# Altium PCB allaki_mezzanine.PcbDoc (part 3 of 3)
Units mm, origin at the board's own origin, x right, y up, seen from the top; angles counter-clockwise.
Board outline 100.05 x 34.55 mm, 6 copper layers (Top Layer, MidLayer1, MidLayer2, MidLayer3, MidLayer4, Bottom Layer), stack 1.096 mm thick; 322 components, 189 nets, 933 pads, 442 vias.
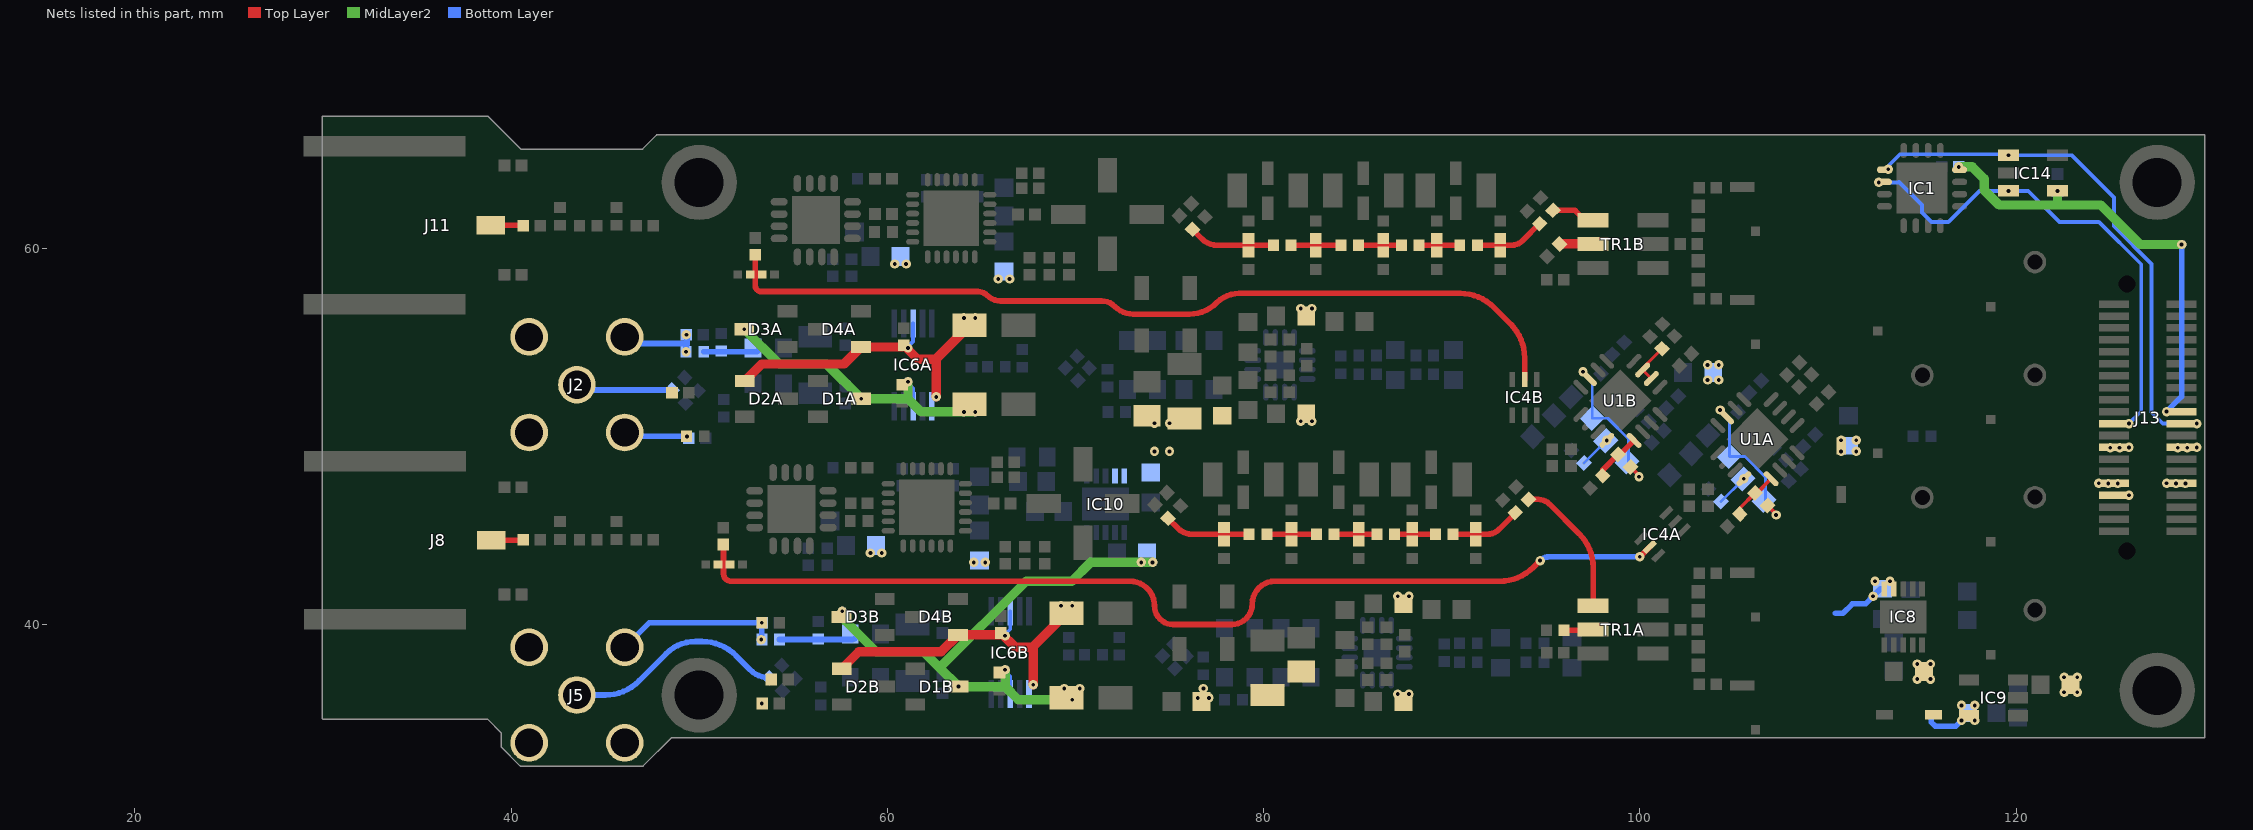
[diagram p7: the nets of this part, all layers, seen from the top]

## Via types
v1: diameter 0.5, hole 0.2, Top Layer to Bottom Layer, 430 vias
v2: diameter 0.6, hole 0.3, Top Layer to Bottom Layer, 12 vias

## Nets (pads, with @x,y where several pads share a name; then routed paths per layer and width w, separated by ;. In a path a pad name is that pad's centre, name@x,y a point inside that pad or via, vN(x,y) a via of type N, cw(c..) or ccw(c..) an arc to the next point about the centre after c; other vN are vias at no path point) (continued)
NetR26B_1: R26B.1 U1B.6 U1B.7 | length 2.2
  Top Layer w0.152: U1B.6@100.611,53.075 U1B.7@100.151,53.535 100.151,53.641 R26B.1@101.173,54.663
NetR29A_1: R29A.1 R31A.2 U1A.16 | length 1.7
  Bottom Layer w0.152: R31A.2@104.323,46.544 105.493,47.715 v1(105.529,47.75)
NetR29B_1: R29B.1 R31B.2 U1B.16 | length 1.7
  Bottom Layer w0.152: R31B.2@97.036,48.582 98.207,49.752 v1(98.242,49.787)
NetR30A_2: R30A.2 R32A.2 U1A.1 | length 2.6
  Top Layer w0.2: R32A.2@105.313,45.873 105.313,46.184 R30A.2@106.126,46.997 106.225,46.997 U1A.1@106.978,47.75
NetR30B_2: R30B.2 R32B.2 U1B.1 | length 2.6
  Top Layer w0.2: R30B.2@98.839,49.034 R30B.2@98.938,49.034
  Top Layer w0.3: R32B.2@98.026,47.91 98.026,48.221 R30B.2@98.839,49.034 ; R30B.2@98.938,49.034 U1B.1@99.691,49.787
NetR35A_2: R35A.2 R36A.1 R37A.2 | length 3
  Bottom Layer w0.3: R35A.2@50.24,54.5 51.17,54.5 52.87,54.5 53.07,54.5 R36A.1@53.17,54.6
NetR35B_2: R35B.2 R36B.1 R37B.2 | length 4.1
  Bottom Layer w0.3: R35B.2@54.27,39.2 58.088,39.2 ccw(c58.088,39.542) 58.095,39.2 ccw(c58.088,39.542) R36B.1@58.33,39.3
NetR38A_1: R38A.1 TR1A.2 | length 1.6
  Top Layer w0.152: TR1A.2@97.49,39.7 TR1A.2@97.52,39.73
  Top Layer w0.3: R38A.1@95.97,39.7 TR1A.2@97.49,39.7
NetR38B_1: R38B.1 TR1B.2 | length 1.8
  Top Layer w0.5: R38B.1@95.732,60.232 97.51,60.232 TR1B.2@97.517,60.225
NetR43A_2: R43A.2 R48A.1 R52A.2 R57A.1 | length 3.8
  Top Layer w0.3: R48A.1@90.07,44.8 91.278,44.8 91.9,44.8 ccw(c91.9,45.659) 92.384,44.949 ccw(c91.9,45.659) 92.507,45.051 ; 92.508,45.052 R57A.1@93.389,45.934
NetR43B_2: R43B.2 R48B.1 R52B.2 R57B.1 | length 3.7
  Top Layer w0.3: R48B.1@91.367,60.165 92.575,60.165 93.2,60.165 ccw(c93.2,60.967) 93.767,60.4 R57B.1@94.676,61.309
NetR44A_2: R44A.2 R48A.2 R49A.1 R53A.2 | length 2.2
  Top Layer w0.3: R49A.1@86.97,44.8 87.903,44.8 R48A.2@89.13,44.8
NetR44B_2: R44B.2 R48B.2 R49B.1 R53B.2 | length 2.2
  Top Layer w0.3: R49B.1@88.267,60.165 89.2,60.165 R48B.2@90.427,60.165
NetR45A_2: R45A.2 R49A.2 R50A.1 R54A.2 | length 2.3
  Top Layer w0.3: R50A.1@83.754,44.8 85.065,44.8 R49A.2@86.03,44.8
NetR45B_2: R45B.2 R49B.2 R50B.1 R54B.2 | length 2.3
  Top Layer w0.3: R50B.1@85.051,60.165 86.363,60.165 R49B.2@87.327,60.165
NetR46A_2: R46A.2 R50A.2 R51A.2 R55A.2 | length 2.6
  Top Layer w0.3: R51A.2@80.171,44.795 80.176,44.8 81.483,44.8 R50A.2@82.814,44.8
NetR46B_2: R46B.2 R50B.2 R51B.2 R55B.2 | length 2.6
  Top Layer w0.3: R51B.2@81.469,60.16 81.473,60.165 82.78,60.165 R50B.2@84.111,60.165
NetR47A_2: R47A.2 R51A.1 R56A.2 R58A.1 | length 4.6
  Top Layer w0.3: R58A.1@74.921,45.644 75.465,45.1 ccw(c76.201,45.836) 76.201,44.795 77.899,44.795 R51A.1@79.231,44.795
NetR47B_2: R47B.2 R51B.1 R56B.2 R58B.1 | length 4.6
  Top Layer w0.3: R58B.1@76.219,61.009 76.728,60.5 ; 76.728,60.499 ccw(c77.548,61.32) 77.548,60.16 79.197,60.16 R51B.1@80.529,60.16
NetR59A_1: R59A.1 TR1A.3 | length 7.4
  Top Layer w0.3: R59A.1@94.086,46.651 94.593,46.651 cw(c94.593,45.793) 95.2,46.4 ; 95.2,46.4 96.776,44.824 cw(c94.98,43.028) 97.52,43.028 TR1A.3@97.52,41
NetR59B_1: R59B.1 TR1B.3 | length 2.4
  Top Layer w0.3: R59B.1@95.383,62.016 96.005,62.016 96.551,62.016 97.072,61.495 TR1B.3@97.517,61.495
PD_INA: C47A.2 IC4A.2 R18A.2 R19A.2 | length 54.2
  Top Layer w0.3: C47A.2@51.27,44.175 cw(c51.27,44.15) 51.295,44.15 51.295,43.2 51.295,42.705 ccw(c51.7,42.705) 51.7,42.3 72.9,42.3 cw(c72.9,41) 74.2,41 ccw(c75.2,41) 75.2,40 78.3,40 ccw(c78.3,41.1) 79.4,41.1 cw(c80.6,41.1) 80.6,42.3 92.548,42.3 ccw(c92.548,44.84) 94.344,43.044 v1(94.7,43.4) ; v1(100,43.6) IC4A.2@100.528,44.128
  Bottom Layer w0.3: v1(94.7,43.4) cw(c95.183,42.917) 95.183,43.6 v1(100,43.6)
PD_INB: C47B.2 IC4B.2 R18B.2 R19B.2 | length 46.4
  Top Layer w0.3: C47B.2@52.975,59.747 C47B.2@52.975,59.647 52.975,58.597 52.975,58.025 ccw(c53.3,58.025) 53.3,57.7 64.817,57.7 cw(c64.817,57.017) 65.3,57.5 ccw(c66.024,58.224) 66.024,57.2 71.376,57.2 cw(c71.376,56.176) 72.1,56.9 ccw(c73.066,57.866) 73.066,56.5 76.051,56.5 ccw(c76.051,58.549) 77.5,57.1 cw(c78.707,55.893) 78.707,57.6 90.448,57.6 cw(c90.448,55.06) 92.244,56.856 93.131,55.969 cw(c91.335,54.173) 93.875,54.173 IC4B.2@93.875,53.025
RET1_IN: C10.1 C65.2 C68.2 J2.2 R35A.1 R62.2 | length 7.9
  Bottom Layer w0.3: J2.2@46.04,50.21 ccw(c46.547,50.717) 46.547,50 v1(49.35,50) ; J2.2@46.04,55.29 46.39,54.94 49.3,54.94 ; v1(49.3,54.5) 49.3,54.94 ; v1(49.32,55.4) 49.35,55.37 49.35,54.96 ; 49.35,54.89 49.35,54.94 ; 49.3,54.94 49.35,54.94 ; 49.3,54.94 49.3,55.01 49.35,54.96 ; 49.35,54.94 49.35,54.96
RET2_IN: C32.1 C67.2 C69.2 J5.2 R35B.1 R64.2 | length 8.6
  Bottom Layer w0.3: J5.2@40.96,38.79 J5.2@40.99,38.79 ; J5.2@46.04,38.79 47.35,40.1 C32.1@53.2,40.1 ; v1(53.32,40.1) 53.33,40.09 R35B.1@53.33,39.2
  other v1: 53.32,35.8 53.3,39.2
RF1_OUT: C50A.2 J8.1 | length 1.7
  Top Layer w0.3: J8.1@38.95,44.474 C50A.2@40.625,44.474
RF2_OUT: C50B.2 J11.1 | length 1.8
  Top Layer w0.3: J11.1@38.925,61.225 40.49,61.225 cw(c40.49,61.035) 40.624,61.169 C50B.2@40.65,61.195
SCL: IC1.1 IC14.1 J13.21 | length 28.3
  Bottom Layer w0.2: v1(113.2,64.2) 113.2,64.375 113.825,65 119.55,65 v1(119.6,64.95) 122.95,64.95 125.2,62.7 125.2,61.166 127.2,59.166 127.2,51.283 127.8,50.683 v1(129.6,50.683)
SDA: IC1.2 IC14.3 J13.22 | length 26.1
  Bottom Layer w0.2: v1(112.7,63.5) 113.75,63.5 113.775,63.525 115,62.3 115,61.9 115.5,61.4 116.4,61.4 118.05,63.05 v1(119.6,63.05) 120.65,63.05 122.3,61.4 124.4,61.4 126.65,59.15 126.65,51.333 v1(126,50.683)
SIG1_IN: J2.1 R6A.1 R65A.2 | length 5.2
  Bottom Layer w0.3: J2.1@43.5,52.75 ccw(c44.182,53.432) 44.182,52.468 R6A.1@48.568,52.468 ; R65A.2@48.568,52.432 R65A.2@48.588,52.432
SIG2_IN: J5.1 R6B.1 R65B.2 | length 11.8
  Bottom Layer w0.3: J5.1@43.5,36.25 44.998,36.25 ccw(c44.998,38.79) 46.794,36.994 48.264,38.464 cw(c49.8,36.927) 49.8,39.1 50.148,39.1 cw(c50.148,36.56) 51.944,38.356 52.711,37.589 ccw(c53.728,38.605) R6B.1@53.728,37.168
VCCD_3V3: C43.2 C54.2 IC1.12 IC14.4 J13.19 | length 23.9
  MidLayer2 w0.5: v1(116.95,64.325) 117.675,64.325 118.3,63.7 118.3,63.1 119.1,62.3 122.2,62.3 ; v1(122.2,63.05) 122.2,62.3 ; v1(128.8,60.2) 126.6,60.2 124.5,62.3 122.2,62.3
  Bottom Layer w0.3: v1(128,51.318) 128.8,52.118 v1(128.8,60.2)
VCCN_5V0_A: C53.2 D6.2 IC9.5 L5A.1 L5B.1 | length 2.9
  Bottom Layer w0.3: 115.5,35.3 115.5,34.8 115.7,34.6 116.8,34.6 v1(117.1,34.9) 117.45,35.25 C53.2@117.45,35.3
  other v1: 117.8,34.9 117.1,35.7 117.8,35.7 87.13,36.3 87.73,36.3 81.97,50.8 82.57,50.8
VCCN_6V0_A: J13.31 L10.1
  other v1: 122.55,36.4 123.25,36.4 122.55,37.2 123.25,37.2 128,47.508 128.5,47.495 129,47.495
VCCN_12V0_A: C41A.2 C41B.2 C42A.2 C42B.2 D2A.1 D2B.1 D4A.1 D4B.1 IC6A.3 IC6A.6 IC6B.3 IC6B.6 J13.25 | length 34.3
  Top Layer w0.5: D2A.1@52.42,52.95 53.32,53.85 57.7,53.85 D4A.1@58.6,54.75 60.77,54.75 C41A.2@60.87,54.85 61.62,54.1 62.57,54.1 ; D2B.1@57.58,37.65 58.48,38.55 62.86,38.55 D4B.1@63.76,39.45 65.93,39.45 C41B.2@66.03,39.55 66.78,38.8 67.73,38.8 ; v1(62.6,52.1) 62.6,54.1 62.585,54.115 ; C42A.2@64.37,55.9 62.585,54.115 ; v1(67.76,36.8) 67.76,38.8 67.745,38.815 ; C42B.2@69.53,40.6 67.745,38.815 ; 62.57,54.1 62.57,54.13 62.585,54.115 ; 62.57,54.1 62.585,54.115 ; 67.73,38.8 67.73,38.83 67.745,38.815 ; 67.73,38.8 67.745,38.815
  Bottom Layer w0.2: v1@61.12,54.8 61.37,55.05 IC6A.3@61.37,56 ; v1@66.28,39.5 66.53,39.75 IC6B.3@66.53,40.7
  other v1: 66.26,39.4 69.23,41 69.83,41 128.6,49.4 129.1,49.4 129.6,49.413 61.1,54.7 64.07,56.3 64.67,56.3
VCCP_5V0: C11.2 D5.1 IC8.9 IC8.10 L3A.2 L3B.2 L6A.2 L6B.2 L7A.1 L7B.1 L8A.2 L8B.2 | length 3
  Bottom Layer w0.3: 110.4,40.6 110.8,40.6 111.3,41.1 112,41.1 v1(112.4,41.5) 112.8,41.9 C11.2@112.9,41.9
  other v1: 87.13,41.5 87.73,41.5 112.5,42.3 113.3,42.3 64.6,43.3 65.2,43.3 59.1,43.8 59.7,43.8 110.7,49.2 111.5,49.2 110.7,49.8 111.5,49.8 103.6,53 104.2,53 103.6,53.8 104.2,53.8 81.97,56.8 82.57,56.8 65.897,58.365 66.497,58.365 60.397,59.165 60.997,59.165
VCCP_6V0_A: J13.32 J13.34 L9.1
  other v1: 114.75,37.1 115.45,37.1 114.75,37.9 115.45,37.9 126,46.873 124.4,47.508 124.9,47.495 125.4,47.495
VCCP_11V5_A: C12A.2 C12B.2 C13A.2 C13B.2 C70.2 IC10.9 IC10.10 R5A.1 R5B.1
  other v1: 76.5,36.1 77.1,36.1 76.8,36.6 74.2,49.2 75,49.2 74.2,50.7 75,50.7
VCCP_12V0_A: C34A.1 C34B.1 C35A.2 C35B.2 D1A.3 D1B.3 D3A.3 D3B.3 IC6A.8 IC6B.8 J13.26 L4.1 | length 46.5
  MidLayer2 w0.5: v1(52.4,55.7) 54.25,53.85 56.77,53.85 v1(58.62,52) 61.1,52 ; v1(57.6,40.7) 57.6,40.36 59.41,38.55 61.93,38.55 62.78,37.7 ; v1(61.1,52.9) 61.1,52 ; v1(64.67,51.3) v1(64.07,51.3) 61.8,51.3 61.1,52 ; v1(66.26,37.6) 66.26,36.7 ; 69.23,36 66.96,36 66.26,36.7 ; 69.23,36 v1(69.83,36) ; v1(74.1,43.3) v1(73.5,43.3) 70.8,43.3 69.8,42.3 67.38,42.3 62.78,37.7 ; 62.78,37.7 v1(63.78,36.7) 66.26,36.7
  Bottom Layer w0.2: v1@61.12,52.8 61.37,52.55 IC6A.8@61.37,51.6 ; v1@66.28,37.5 66.53,37.25 IC6B.8@66.53,36.3
  other v1: 69.4,36.6 70.23,36.6 125,49.4 125.5,49.4 126,49.413
VREF_AD8363A: R28A.1 R29A.2 R30A.1 U1A.11 | length 8.9
  Top Layer w0.152: v1(104.267,51.402) v1@104.256,51.392 ; U1A.11@104.61,51.038 v1@104.256,51.392 ; v1@104.256,51.392 104.175,51.473 104.175,51.402 104.175,51.31 v1@104.256,51.392
  Top Layer w0.2: R30A.1@106.791,46.332 107.244,45.88 v1(107.244,45.823)
  Bottom Layer w0.152: v1(104.267,51.402) 104.267,51.346 104.762,50.851 R28A.1@104.762,48.927 105.582,48.927 106.678,47.831 106.678,46.601 106.678,46.389 v1(107.244,45.823)
VREF_AD8363B: R28B.1 R29B.2 R30B.1 U1B.11 | length 8.9
  Top Layer w0.152: v1(96.98,53.44) v1@96.969,53.429 ; U1B.11@97.323,53.075 v1@96.969,53.429 ; v1@96.969,53.429 96.888,53.51 96.888,53.44 96.888,53.348 v1@96.969,53.429
  Top Layer w0.2: R30B.1@99.504,48.37 99.957,47.917 v1(99.957,47.86)
  Bottom Layer w0.152: v1(96.98,53.44) 96.98,53.383 97.475,52.888 R28B.1@97.475,50.965 98.295,50.965 99.391,49.869 99.391,48.638 99.391,48.426 v1(99.957,47.86)
pads on no net: D1A.2 D1B.2 D2A.2 D2B.2 D3A.2 D3B.2 D4A.2 D4B.2 IC1.5 IC1.6 IC1.7 IC1.8 IC1.9 IC1.10 IC1.13 IC1.14 IC1.15 IC1.16 IC3A.19 IC3B.19 IC7A.4 IC7A.6 IC7A.7 IC7A.8 IC7A.13 IC7A.14 IC7A.15 IC7A.16 IC7B.4 IC7B.6 IC7B.7 IC7B.8 IC7B.13 IC7B.14 IC7B.15 IC7B.16 IC8.4 IC9.4 IC10.4 IC14.5 J13.20 J13.27 J13.28 J13.P1 J13.P2 L1A.2 L1A.4 L1B.2 L1B.4 U1A.13 U1B.13

## Polygon pours and split planes (outlines as drawn)
VCCP_12V0_A on MidLayer2 "VCCP_12V0_A_L03_P086" (solid, remove dead copper, pour order 138): 75.8,50.7 ccw(c73.8,50.7) 73.8,52.7 62.7,52.7 cw(c62.7,53.5) 61.9,53.5 61.9,53.96 ccw(c59.36,53.96) 59.36,56.5 52.2,56.5 ccw(c52.2,55.47) 51.17,55.47 51.17,52.04 ccw(c53.71,52.04) 53.71,49.5 74.7,49.5 ccw(c74.7,50.6) 75.8,50.6
VCCP_12V0_A on MidLayer2 "VCCP_12V0_A_L03_P085" (solid, remove dead copper, pour order 137): 70.6,36.3 cw(c70,36.3) 70,35.7 59.64,35.7 cw(c59.64,38.24) 57.1,38.24 57.1,42.1 cw(c58,42.1) 58,43 68.5,43 ccw(c68.5,43.5) 69,43.5 cw(c69.6,43.5) 69.6,44.1 74,44.1 cw(c74,43.5) 74.6,43.5 74.6,43.2 cw(c74.1,43.2) 74.1,42.7 71.2,42.7 ccw(c71.2,42.3) 70.8,42.3 cw(c70.3,42.3) 70.3,41.8 68.5,41.8 ccw(c68.5,40.6) 67.3,40.6 67.3,39.7 ccw(c69,39.7) 69,38 69.6,38 cw(c69.6,37) 70.6,37
GND on MidLayer2 "GND_L03_P089" (solid, remove dead copper, pour order 141): 38.739,34.975 39.475,34.239 39.475,33.5 ccw(c39.5,33.5) 39.482,33.482 40.482,32.482 cw(c40.5,32.5) 40.482,32.482 ccw(c40.5,32.5) 40.5,32.475 47,32.475 ccw(c47,32.5) 47.018,32.482 48.511,33.975 130,33.975 ccw(c130,34) 130.025,34 130.025,66 ccw(c130,66) 130,66.025 47.75,66.025 ccw(c47.75,66) 47.732,66.018 cw(c47.75,66) 47.732,66.018 46.989,65.275 40.511,65.275 38.768,67.018 cw(c38.75,67) 38.768,67.018 ccw(c38.75,67) 38.75,67.025 30,67.025 ccw(c30,67) 29.975,67 29.975,35 ccw(c30,35) 30,34.975
NetC51_2 on MidLayer2 "NETC51_2_L03_P077" (solid, remove dead copper, pour order 129): 30.025,50.25 37.27,50.25 cw(c37.27,47.71) 39.067,49.506 39.6,48.972 cw(c38.332,47.704) 40.125,47.704 40.125,47.215 ccw(c41.491,47.215) 40.525,46.25 cw(c39.077,44.801) 41.125,44.801 41.125,44.257 cw(c39.418,44.257) 40.625,43.05 40.62,43.045 ccw(c41.815,41.85) 40.125,41.85 cw(c37.711,41.85) 39.418,40.142 38.969,39.694 cw(c37.173,41.49) 37.173,38.95 30.039,38.95
NetC52_2 on MidLayer2 "NETC52_2_L03_P071" (solid, remove dead copper, pour order 123): 30,67 37.245,67 cw(c37.245,64.46) 39.041,66.256 39.575,65.723 cw(c38.307,64.455) 40.1,64.455 40.1,63.966 ccw(c41.466,63.966) 40.5,63 cw(c39.052,61.552) 41.1,61.552 41.1,61.007 cw(c39.393,61.007) 40.6,59.8 40.595,59.795 ccw(c41.79,58.6) 40.1,58.6 cw(c37.686,58.6) 39.393,56.893 38.944,56.444 cw(c37.148,58.24) 37.148,55.7 30.014,55.7
RET1_IN on MidLayer2 "RET1_IN_L03_P065" (solid, remove dead copper, pour order 117): 48.034,57 cw(c48.034,55.634) 49,56.6 49.607,55.993 cw(c49.215,55.6) 49.77,55.6 49.77,54.692 cw(c48.848,54.692) 49.5,54.04 48.87,53.41 ccw(c49.28,53) 48.7,53 48.7,52.941 ccw(c49.041,52.941) 48.8,52.7 48.929,52.571 cw(c48.759,52.4) 49,52.4 49,52.363 cw(c48.486,52.363) 48.849,52 ccw(c49.21,51.639) 48.7,51.639 48.7,51.5 ccw(c49.666,51.5) 48.983,50.817 49.059,50.741 ccw(c49.4,51.083) 49.4,50.6 cw(c49.4,50.455) 49.502,50.558 49.6,50.46 cw(c49.117,49.977) 49.8,49.977 49.8,49.7 cw(c48.351,49.7) 49.376,48.676 49.3,48.6 cw(c47.61,50.29) 47.61,47.9 42.252,47.9 cw(c42.252,50.44) 40.456,48.644 39.5,49.6 cw(c40.466,50.566) 39.1,50.566 39.1,55 cw(c40.79,55) 39.595,56.195 40,56.6 cw(c40.966,55.634) 40.966,57
RET2_IN on MidLayer2 "RET2_IN_L03_P059" (solid, remove dead copper, pour order 111): 41,40.5 46.793,40.5 ccw(c46.793,42.207) 48,41 cw(c48.724,40.276) 48.724,41.3 52.776,41.3 cw(c52.776,40.276) 53.5,41 cw(c52.776,40.276) 53.8,40.276 53.8,37.935 ccw(c54.141,37.935) 53.9,37.694 54.276,37.317 cw(c54.219,37.26) 54.3,37.26 cw(c53.649,37.26) 54.109,36.8 ccw(c54.857,36.053) 53.8,36.053 53.8,35.524 cw(c52.776,35.524) 53.5,34.8 51.944,33.244 cw(c50.148,35.04) 50.148,32.5 40.152,32.5 cw(c40.152,35.04) 38.356,33.244 38,33.6 cw(c39.449,35.049) 37.4,35.049 37.4,36.9 cw(c39.331,36.9) 37.966,38.266 39.634,39.934 cw(c41,38.569)
VCCP_11V5_A on MidLayer3 "VCCP_11V5_A_L04_P095" (solid, remove dead copper, pour order 95): 76.5,35.9 77.1,35.9 ccw(c77.1,36.5) 77.7,36.5 77.7,48.539 ccw(c75.16,48.539) 75.16,51.079 74.043,51.079 ccw(c74.043,50.857) 73.821,50.857 73.821,49.079 ccw(c74,49.079) 74,48.9 cw(c74,46.6) 76.3,46.6 76.3,36.1 ccw(c76.5,36.1)
GND on MidLayer3 "GND_L04_P088" (solid, remove dead copper, pour order 140): 38.739,34.975 39.475,34.239 39.475,33.5 ccw(c39.5,33.5) 39.482,33.482 40.482,32.482 cw(c40.5,32.5) 40.482,32.482 ccw(c40.5,32.5) 40.5,32.475 47,32.475 ccw(c47,32.5) 47.018,32.482 48.511,33.975 130,33.975 ccw(c130,34) 130.025,34 130.025,66 ccw(c130,66) 130,66.025 47.75,66.025 ccw(c47.75,66) 47.732,66.018 cw(c47.75,66) 47.732,66.018 46.989,65.275 40.511,65.275 38.768,67.018 cw(c38.75,67) 38.768,67.018 ccw(c38.75,67) 38.75,67.025 30,67.025 ccw(c30,67) 29.975,67 29.975,35 ccw(c30,35) 30,34.975
VCCP_12V0_A on MidLayer3 "VCCP_12V0_A_L04_P054" (solid, remove dead copper, pour order 107): 70.6,36.2 70.6,36.7 74.4,36.7 ccw(c74.4,37.2) 74.55,36.723 ccw(c74.7,37.2) 74.7,36.7 75.2,36.7 ccw(c75.2,37.2) 75.7,37.2 75.7,51.5 ccw(c75.3,51.5) 75.3,51.9 ccw(c75.3,51.5) 75.3,51.9 74.6,51.9 ccw(c74.6,51.5) 74.6,51.9 ccw(c74.6,51.5) 74.2,51.5 74.2,51.6 ccw(c73.8,51.6) 73.8,52 ccw(c73.8,51.6) 73.8,52 73.1,52 ccw(c73.1,51.6) 73.1,52 ccw(c73.1,51.6) 72.7,51.6 72.7,40.476 67.9,40.476 67.9,52.3 ccw(c67.5,52.3) 67.9,52.3 ccw(c67.5,52.3) 67.5,52.7 ccw(c67.5,52.3) 67.5,52.7 66.8,52.7 ccw(c66.8,52.3) 66.8,52.7 ccw(c66.8,52.3) 66.769,52.699 66.769,52.7 66.674,52.7 cw(c66.674,52.804) 66.57,52.803 66.57,53.3 ccw(c66.17,53.3) 66.57,53.3 ccw(c66.17,53.3) 66.17,53.7 ccw(c66.17,53.3) 66.17,53.7 65.47,53.7 ccw(c65.47,53.301) 65.47,53.7 ccw(c65.47,53.301) 65.343,53.679 ccw(c65.2,53.202) 65.2,53.7 ccw(c65.2,53.202) 65.2,53.7 64.4,53.7 ccw(c64.4,53.2) 64.4,53.7 ccw(c64.4,53.2) 64.1,53.6 61.1,53.6 ccw(c61.1,53.1) 61.1,53.6 ccw(c61.1,53.1) 60.6,53.1 ccw(c61.1,53.1) 60.6,53.1 60.6,52.6 ccw(c61.1,52.6) 61.1,52.1 ccw(c61.1,52.6) 61.1,52.1 63.9,52.1 63.9,48.4 63.9,46.63 ccw(c64.4,46.63) 63.9,46.63 ccw(c64.4,46.63) 64.4,46.13 65.07,46.13 65.07,39 ccw(c65.57,39) 65.57,38.5 ccw(c65.57,39) 65.57,38.5 65.7,38.5 65.7,37.2 ccw(c66.2,37.2) 65.7,37.2 ccw(c66.2,37.2) 66.2,36.7 ccw(c66.2,37.2) 66.2,36.7 66.7,36.7 69.1,36.7 69.1,36.2 ccw(c69.6,36.2) 69.1,36.2 ccw(c69.6,36.2) 69.6,35.7 70.1,35.7 ccw(c70.1,36.2)
VCCP_5V0 on MidLayer3 "VCCP_5V0_L04_P081" (solid, remove dead copper, pour order 133): 86.52,40.9 ccw(c86.52,41.4) 86.845,41.02 88.2,41.02 90.6,41.02 ccw(c90.725,41.4) 90.725,41 105.025,41 ccw(c105.025,41.5) 105.425,41.2 113.525,41.2 ccw(c113.525,41.7) 114.025,41.7 ccw(c113.525,41.7) 114.025,41.7 114.025,42.2 ccw(c113.527,42.2) 114.025,42.2 ccw(c113.527,42.2) 114.015,42.3 ccw(c113.526,42.4) 114.025,42.4 ccw(c113.526,42.4) 114.025,42.4 114.025,42.9 ccw(c113.525,42.9) 114.025,42.9 ccw(c113.525,42.9) 113.525,43.4 ccw(c113.525,42.9) 113.525,43.4 112.1,43.4 112.1,50.3 ccw(c111.6,50.3) 112.1,50.3 ccw(c111.6,50.3) 111.6,50.8 ccw(c111.6,50.3) 111.6,50.8 111.1,50.8 ccw(c111.05,49.816) 111.05,50.801 ccw(c111.05,49.816) 111,50.8 110.5,50.8 ccw(c110.5,50.3) 110.5,50.8 ccw(c110.5,50.3) 110,50.3 110,43.4 104.951,43.4 104.951,54.2 ccw(c104.451,54.2) 104.951,54.2 ccw(c104.451,54.2) 104.451,54.7 ccw(c104.451,54.2) 104.451,54.7 103.951,54.7 ccw(c103.95,54.207) 103.95,54.7 ccw(c103.95,54.207) 103.901,54.697 ccw(c103.851,54.211) 103.851,54.7 ccw(c103.851,54.211) 103.851,54.7 103.351,54.7 ccw(c103.351,54.2) 103.351,54.7 ccw(c103.351,54.2) 102.851,54.2 102.851,43.4 87.02,43.4 87.02,55.7 ccw(c86.62,55.7) 87.02,55.7 ccw(c86.62,55.7) 86.62,56.1 ccw(c86.62,55.7) 86.62,56.1 85.92,56.1 ccw(c85.808,55.745) 85.808,56.117 ccw(c85.808,55.745) 85.695,56.1 ccw(c85.248,55.958) 85.248,56.428 ccw(c85.248,55.958) 85.2,56.425 84.7,56.425 84.7,57 ccw(c84.3,57) 84.7,57 ccw(c84.3,57) 84.3,57.4 ccw(c84.3,57) 84.3,57.4 83.6,57.4 81.7,57.4 ccw(c81.7,56.9) 81.7,57.4 ccw(c81.7,56.9) 81.2,56.9 81.2,56.4 ccw(c81.7,56.4) 81.7,55.9 ccw(c81.7,56.4) 81.7,55.9 83.1,55.9 ccw(c83.665,56.105) 83.18,55.75 83.18,41.45 ccw(c83.58,41.45) 83.257,41.214 ccw(c83.6,41.42) 83.6,41.02 85.695,41.02 ccw(c86.02,41.4) 86.02,40.9
VCCP_5V0 on MidLayer3 "VCCP_5V0_L04_P047" (solid, remove dead copper, pour order 100): 80.185,34.701 ccw(c80.21,35.2) 80.21,34.7 80.71,34.7 ccw(c80.71,35.2) 81.21,35.2 81.21,49.5 ccw(c80.81,49.5) 81.18,49.652 81.18,55.9 84.38,55.9 84.38,57.4 81.039,57.4 ccw(c80.78,57.095) 80.78,57.495 79.71,57.495 ccw(c79.71,57.095) 79.31,57.095 79.31,56.99 ccw(c79.22,56.6) 79.22,57 78.52,57 ccw(c78.52,56.6) 78.12,56.6 78.12,42.3 ccw(c78.62,42.3) 78.62,41.8 79.11,41.8 79.11,36.2 65.63,36.2 65.63,43.305 64.13,43.305 64.13,35.2 ccw(c64.63,35.2) 64.63,34.7 65.13,34.7 ccw(c65.13,35.2) 65.132,34.7 79.3,34.7 ccw(c79.3,35.2) 79.447,34.722 ccw(c79.61,35.195) 79.61,34.695 80.11,34.695 ccw(c80.11,35.195)
VCCP_12V0_A on MidLayer3 "VCCP_12V0_A_L04_P052" (solid, remove dead copper, pour order 105): 125.47,48.301 ccw(c125.5,48.8) 125.5,48.3 ccw(c125.5,48.8) 125.5,48.3 126,48.3 ccw(c126,48.8) 126,48.3 ccw(c126,48.8) 126.5,48.8 ccw(c126,48.8) 126.5,48.8 126.5,58.4 124.44,58.4 106.1,58.4 106.1,61.135 74.1,61.135 ccw(c74.1,60.735) 74.1,61.135 ccw(c74.1,60.735) 73.7,60.735 73.7,58.335 ccw(c74.1,58.335) 74.1,57.935 ccw(c74.1,58.335) 74.1,57.935 93.001,57.935 ccw(c93.5,57.9) 93,57.9 ccw(c93.5,57.9) 93,57.9 93,57.4 ccw(c93.5,57.4) 93,57.4 ccw(c93.5,57.4) 93.5,56.9 ccw(c93.5,57.4) 93.5,56.9 124.44,56.9 124.44,48.8 ccw(c124.94,48.8) 124.44,48.8 ccw(c124.94,48.8) 124.94,48.3 ccw(c124.94,48.8) 124.94,48.3 125.44,48.3 ccw(c125.44,48.8) 125.44,48.3 ccw(c125.44,48.8)
VCCP_12V0_A on MidLayer3 "VCCP_12V0_A_L04_P049" (solid, remove dead copper, pour order 102): 74.55,42.123 ccw(c74.7,42.6) 74.7,42.1 75.2,42.1 ccw(c75.2,42.6) 75.7,42.6 75.7,50.705 75.7,60.2 ccw(c75.3,60.2) 75.3,60.6 74.659,60.6 ccw(c74.657,60.1) 74.657,60.6 74.157,60.6 ccw(c74.157,60.1) 73.657,60.1 73.657,57.3 73.1,57.3 ccw(c73.1,56.9) 72.7,56.9 72.7,42.6 ccw(c73.2,42.6) 73.2,42.1 73.7,42.1 ccw(c73.7,42.6) 73.8,42.11 ccw(c73.9,42.6) 73.9,42.1 74.4,42.1 ccw(c74.4,42.6)
VCCN_12V0_A on MidLayer3 "VCCN_12V0_A_L04_P051" (solid, remove dead copper, pour order 104): 106.6,59.371 ccw(c107,59.371) 107,58.971 126.6,58.971 126.6,52.3 126.6,48.9 ccw(c127.1,48.9) 127.1,48.4 127.6,48.4 ccw(c127.6,48.9) 127.65,48.403 ccw(c127.7,48.9) 127.7,48.4 128.7,48.4 ccw(c128.7,48.9) 128.75,48.403 ccw(c128.8,48.9) 128.8,48.4 129.3,48.4 ccw(c129.3,48.9) 129.8,48.9 129.8,55.9 129.8,59.1 129.8,62.3 129.8,64.9 126.6,64.9 90.1,64.9 67.6,64.9 ccw(c67.6,64.4) 67.1,64.4 67.1,63.9 ccw(c67.6,63.9) 67.103,63.85 ccw(c67.6,63.8) 67.1,63.8 67.1,62.8 ccw(c67.6,62.8) 67.103,62.75 ccw(c67.6,62.7) 67.1,62.7 ccw(c68.1,62.7) 68.1,61.7 68.481,61.7 68.481,51.7 ccw(c68.981,51.7) 68.981,51.2 69.481,51.2 ccw(c69.481,51.7) 69.531,51.203 ccw(c69.581,51.7) 69.581,51.2 70.581,51.2 ccw(c70.581,51.7) 70.631,51.203 ccw(c70.681,51.7) 70.681,51.2 71.181,51.2 ccw(c71.181,51.7) 71.681,51.7 71.681,61.7 90.4,61.7 106.6,61.7